# Altium PCB PCB.PcbDoc (part 1 of 7) (continued)
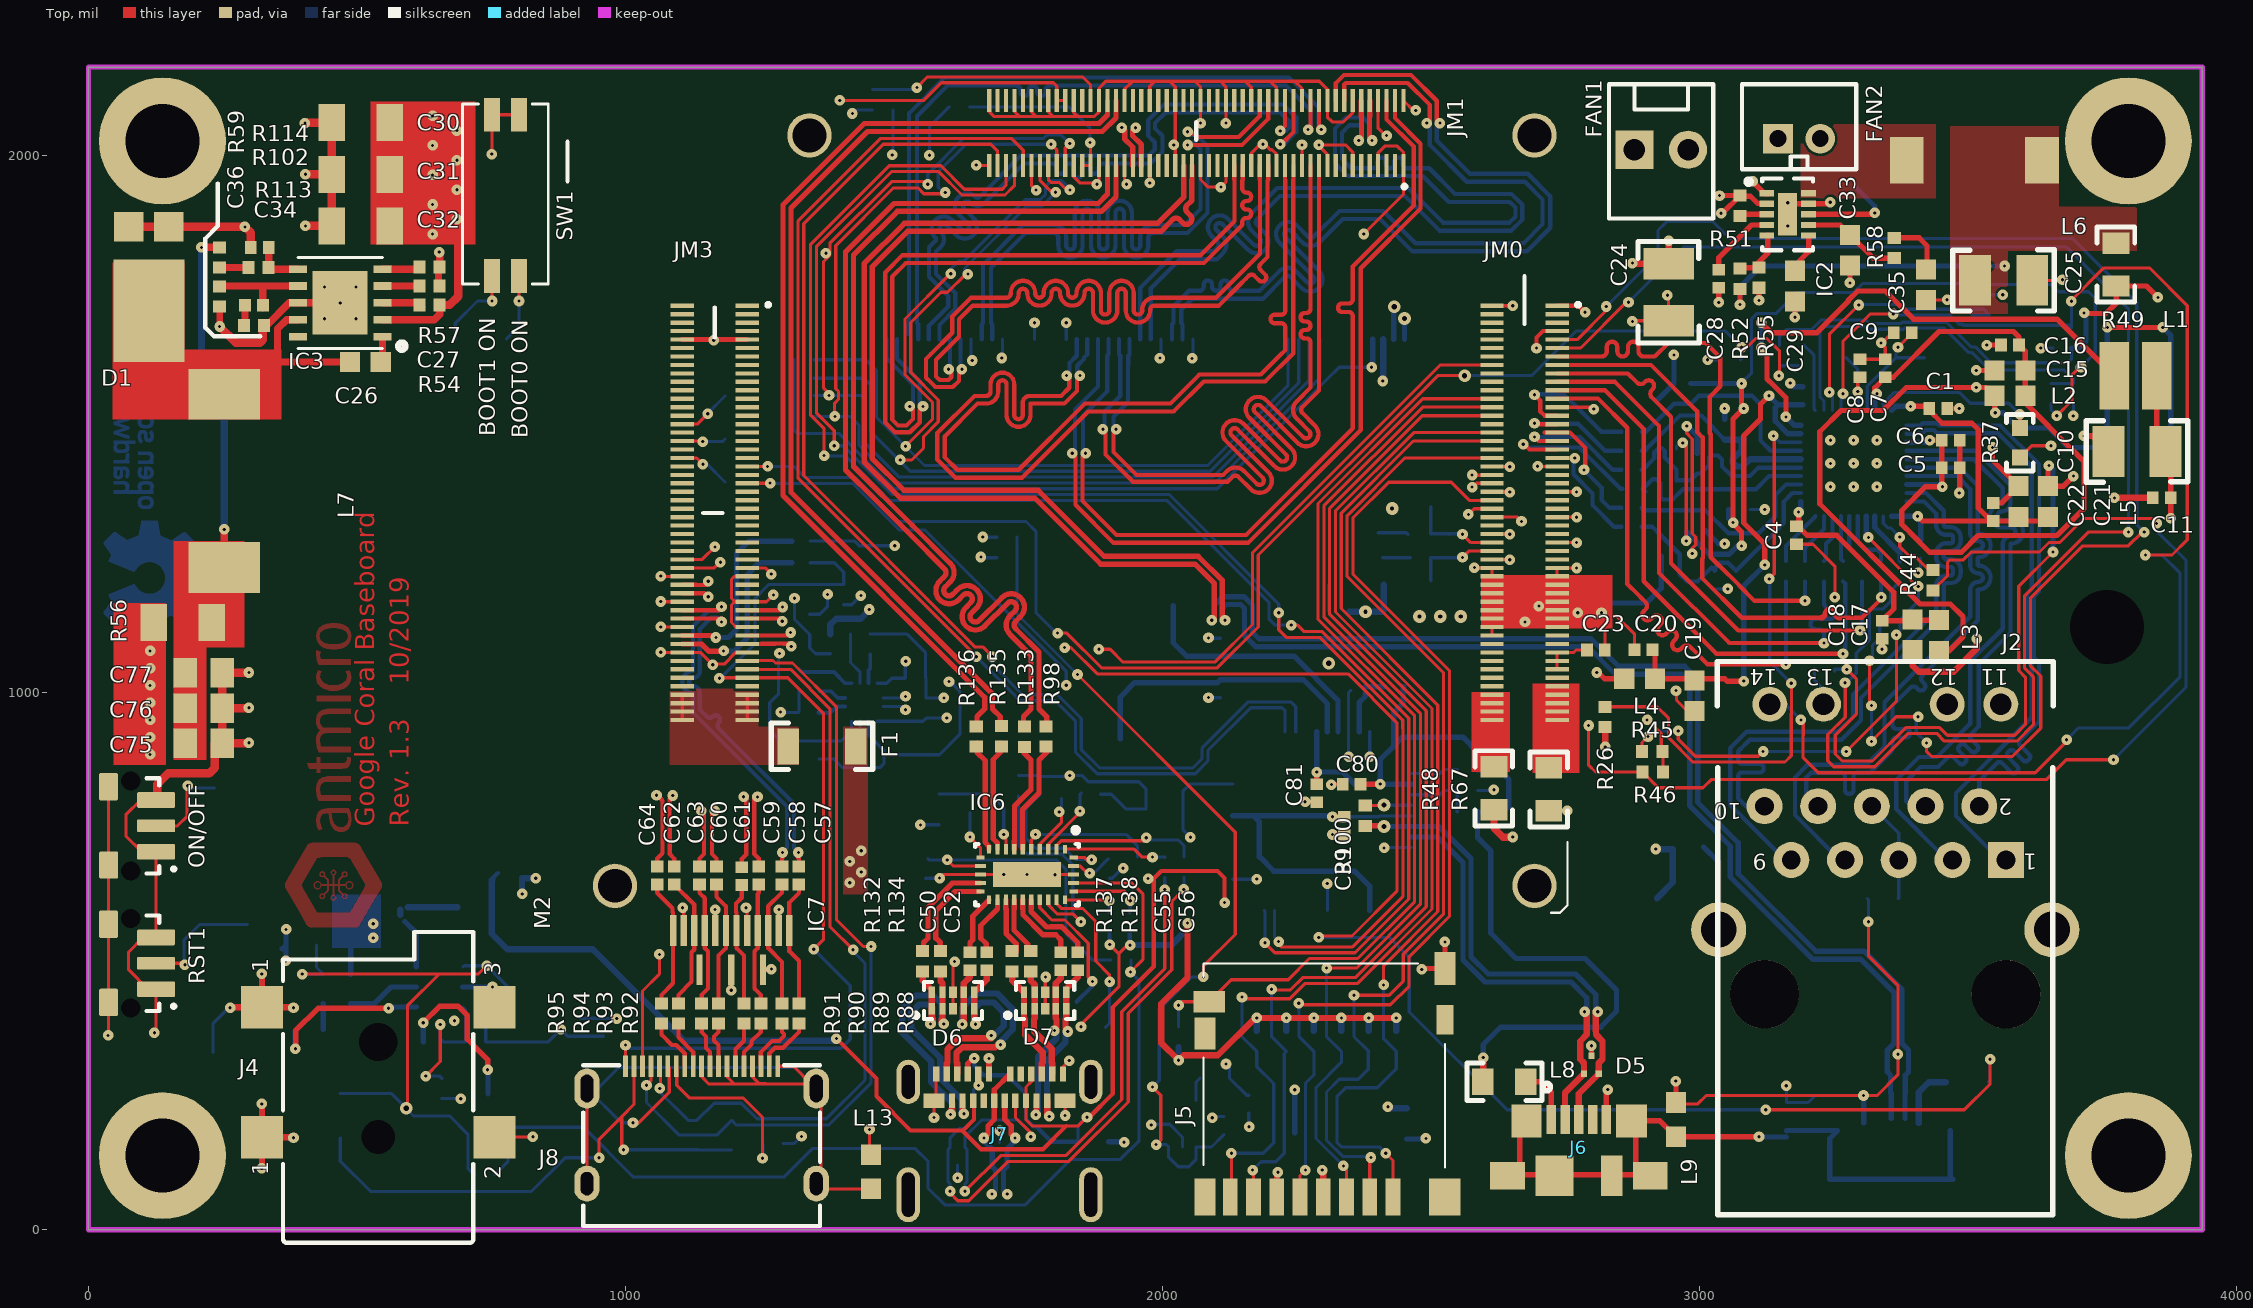
[diagram p0: Top view]
## Components (designator, comment, footprint, x,y, rotation, side; value= is the part's Value field where it differs from the comment) (continued)
R31 "220R" 0402#1 3233.28,1043.76 r0 bottom
R32 "0R" 0402#1 3338.65,1226.27 r90 bottom
R33 "0R" 0402#1 3196.92,1226.27 r90 bottom
R34 "22R" 0402#1 2874.08,1486.12 r0 bottom
R35 "22R" 0402#1 2874.08,1415.25 r0 bottom
R36 "22R" 0402#1 2875.65,1379.82 r0 bottom
R37 "2k49" 0603#3 3597.17,1465.55 r270 top
R38 "22R" 0402#1 2874.08,1344.38 r0 bottom
R39 "0R" 0402#1 3374.08,1226.27 r270 bottom
R40 "22R" 0402#1 2874.08,1308.95 r0 bottom
R41 "0R" 0402#1 3355.1,1136.15 r180 bottom
R42 "22R" 0402#1 2874.08,1450.68 r0 bottom
R43 "0R" 0402#1 3185.11,1627.85 r270 bottom
R44 "0R" 0402#1 3435.11,1209.41 r90 top
R45 "2k" 0402#1 2912.29,890.57 r0 top
R46 "10k" 0402#1 2913.45,852.26 r180 top
R47 "0R" 0402#1 1622.17,2091.14 r0 bottom
R48 "0R" 0805#3 2617.46,821.91 r270 top
R49 "0R" 0805#3 3776.08,1797.49 r270 top
R50 "2k2" 0402#1 1710.4,1289.51 r0 bottom
R51 "3M3" 0402#1 3075.86,1906.97 r90 top
R52 "44k2" 0402#1 3075.86,1771.14 r270 top
R53 "2k2" 0402#1 1710.4,1251.44 r0 bottom
R54 "0R" 0402#1 635.29,1722.09 r0 top
R55 "16k5" 0402#1 3111.29,1773.11 r90 top
R56 "0R" 1206#2 175.46,1131.13 r0 top
R57 "243k" 0402#1 635.29,1792.95 r0 top
R58 "10k" 0402#1 3363.26,1828.23 r270 top
R59 "49R9" 0402#1 244.23,1810.55 r90 top
R60 "10k" 0402#1 2030.28,358.84 r270 bottom
R61 "10k" 0402#1 2175.95,350.96 r90 bottom
R62 "10k" 0402#1 2231.06,350.96 r90 bottom
R63 "10k" 0402#1 2282.24,350.96 r90 bottom
R64 "10k" 0402#1 2333.43,350.96 r90 bottom
R65 "10k" 0402#1 2384.61,350.96 r90 bottom
R66 "10k" 0402#1 2435.79,350.96 r90 bottom
R67 "0R" 0805#3 2719.7,819.83 r270 top
R68 "470R" 0402#1 2431,1011.25 r180 bottom
R69 "0R" 0603#3 780.07,654.4 r0 bottom
R70 "470R" 0603#3 437.48,448.04 r90 bottom
R71 "0R" 0402#1 720.95,349.61 r0 bottom
R72 "0R" 0402#1 642.21,349.61 r0 bottom
R73 "5k6" 0603#3 488.66,448.04 r270 bottom
R74 "200k" 0402#1 1732.28,826.77 r90 bottom
R75 "909k" 0402#1 1952.76,674.78 r270 bottom
R76 "0R" 0402#1 2040.55,675.46 r90 bottom
R77 "0R" 0402#1 2004.42,674.78 r90 bottom
R78 "200k" 0402#1 1640.99,792.46 r90 bottom
R79 "2k2" 0402#1 1901.57,570.87 r270 bottom
R80 "2k2" 0402#1 1940.94,570.87 r270 bottom
R81 "10k" 0402#1 1866.14,811.02 r180 bottom
R82 "4k7" 0402#1 1791.34,811.02 r0 bottom
R83 "0R" 0402#1 1559.05,673.23 r90 bottom
R84 "0R" 0402#1 1901.57,673.23 r90 bottom
R85 "0R" 0402#1 1922.9,502.43 r0 bottom
R86 "4k7" 0402#1 2568.05,777.9 r0 bottom
R87 "10k" 0402#1 2568.05,818.05 r180 bottom
R88 "5R6" 0402#1 1323.11,402.65 r270 top
R89 "5R6" 0402#1 1291.61,402.65 r270 top
R90 "5R6" 0402#1 1252.24,402.65 r270 top
R91 "5R6" 0402#1 1220.75,402.65 r270 top
R92 "5R6" 0402#1 1173.5,402.65 r270 top
R93 "5R6" 0402#1 1142.01,402.65 r270 top
R94 "5R6" 0402#1 1098.7,402.65 r270 top
R95 "5R6" 0402#1 1067.2,402.65 r270 top
R96 "0R" 0402#1 1460.36,2104.39 r90 bottom
R97 "0R" 0402#1 1343.45,1127.37 r270 bottom
R98 "0R" 0402#1 1783.64,918.56 r270 top
R99 "0R" 0603#3 2097.69,282.21 r0 bottom
R100 "1k54" 0402#1 2378,771 r90 top
R101 "10k" 0402#1 2568.05,856.72 r180 bottom
R102 "53k6" 0402#1 316.58,1791.97 r180 top
R103 "33R" 0402#1 2480.94,1295.93 r0 bottom
R104 "33R" 0402#1 2480.94,1251.31 r0 bottom
R105 "50R" 0402#1 2533,1314 r270 bottom
R106 "50R" 0402#1 2532,1233 r90 bottom
R113 "16k9" 0402#3 308.33,1721.62 r0 top
R114 "10k2" 0402#3 319.18,1829.19 r0 top
R115 "1M" 0402#1 1406.78,1182.83 r90 bottom
R116 "10k" 0402#1 658.09,262.99 r90 bottom
R117 "100k" 0402#1 737.46,102.58 r0 bottom
R118 "1k8" 0603#3 1133.21,176.03 r270 bottom
R119 "1k8" 0603#3 1197.93,176.03 r270 bottom
R120 "0R" 0402#1 1274.97,160.73 r180 bottom
R121 "10k" 0402#1 1455.92,1090.67 r90 bottom
R122 "10k" 0402#1 1304.31,1043.79 r180 bottom
R123 "10k" 0402#1 1560.12,971.55 r90 bottom
R124 "5k11" 0402#1 1342.07,1003.58 r0 bottom
R125 "5k11" 0402#1 1340.88,963.22 r0 bottom
R126 "10k" 0402#1 1540.19,1027.97 r0 bottom
R127 "0R" 0402#1 1462.47,884.46 r180 bottom
R128 "0R" 0402#1 1400.45,1072.67 r180 bottom
R129 "0R" 0402#1 1400.6,1109.2 r180 bottom
R130 "0R" 0402#1 1498.36,2104.39 r270 bottom
R131 "100k" 0402#1 2329,1151 r0 bottom
R132 "0R" 0402#1 1553.68,500 r270 top
R133 "0R" 0402#1 1743.14,918.01 r270 top
R134 "0R" 0402#1 1586.88,500 r270 top
R135 "0R" 0402#1 1700.65,918.94 r270 top
R136 "0R" 0402#1 1653.54,918.4 r270 top
R137 "0R" 0402#1 1720.35,500 r270 top
R138 "0R" 0402#1 1754.92,500 r270 top
RST1 "TL3340AF160QG" TL3340AF160QG 78.74,496.06 r270 top
SW1 "TDA02H0SB1" TDA02H0SB1 776.58,1926.33 r180 top
TP1 "Testpad" TP-R-1.5 301.27,573.51 r180 bottom
TP2 "Testpad" TP-R-1.5 236.22,826.77 r90 bottom
TP3 "" TP-R-2.5 3292.4,1940.43 r90 bottom
TP4 "Testpad" TP-R-1.5 232.18,330.43 r90 bottom
TP5 "Testpad" TP-R-1.5 2921.33,617.45 r90 bottom
TP6 "Testpad" TP-R-1.5 1840.66,424.62 r90 bottom
TP7 "Testpad" TP-R-1.5 1956.81,425.18 r90 bottom
TP8 "Testpad" TP-R-1.5 1894.17,377.01 r90 bottom
TP9 "Testpad" TP-R-1.5 1185.5,1552.59 r0 bottom
TP10 "Testpad" TP-R-1.5 1185.5,1392.48 r0 bottom
TP11 "Testpad" TP-R-1.5 1185.5,1472.54 r0 bottom
TP12 "Testpad" TP-R-1.5 778.48,1659.42 r0 bottom
TP13 "Testpad" TP-R-1.5 683.27,1659.42 r0 bottom
Y1 "25MHz" TXC_7A 3346.52,1623.91 r180 bottom
Y2 "MQ-6.000-12-30/30/" Crystal_5x7mm 2020.26,913.76 r90 bottom

## Footprints (in the part's own frame and the unit in brackets; to place one, negate y for a bottom-side part, rotate by r counter-clockwise, add the part's x,y. Pads: shape width x height; smd on the part's side, far side on the other; paste and mask are expansions set on the pad)
10-TDFN [mm]
  rect 0.7x0.3 smd: 1(-0.99,1) 2(-0.99,0.5) 3(-0.99,0) 4(-0.99,-0.5) 5(-0.99,-1) 6(0.99,-1) 7(0.99,-0.5) 8(0.99,0) 9(0.99,0.5) 10(0.99,1)
  rect 0.9x2 smd: 11(0,0)
  silkscreen extent -1.97,-1.7 1.2,1.7, body extent -1.05,-1.55 1.05,1.55, height 0.5
114-00841-68 [mm]
  rect 0.7x1.75 smd: 1(-2.455,-0.874) 2(-3.555,-0.874) 3(-4.655,-0.874) 4(-5.755,-0.874) 5(-6.855,-0.874) 6(-7.955,-0.874) 7(-9.055,-0.874) 8(-10.155,-0.874)
  rect 1.5x1 smd: 9(-11.155,8.365)
  rect 1x1.55 smd: 10(0.005,9.94)
  rect 1x1.75 smd: M(-11.355,-0.874)
  rect 1x1.5 smd: M(-11.355,6.865)
  rect 1.5x1.75 smd: M(-0.005,-0.874)
  rect 0.8x1.4 smd: M(-0.005,7.515)
  silkscreen extent -11.42,0.52 0.01,10.17, body extent -11.63,-1.38 0.37,10.22, height 1.6
0402#1 [mm]
  rect 0.57x0.62 smd: 1(-0.48,0) 2(0.48,0)
  body extent -0.47,-0.25 0.53,0.25, height 0.35
0402#2 [mm]
  rect 0.57x0.62 smd: 1(0.48,0) 2(-0.48,0)
  body extent -0.52,-0.27 0.48,0.23, height 0.35
0402#3 [mm]
  rect 0.55x0.6 smd: 1(-0.425,0) 2(0.425,0)
  body extent -0.51,-0.25 0.5,0.27, height 0.49
0603#1 [mm]
  rect 0.95x0.95 smd: 1(-0.725,0) 2(0.725,0)
  body extent -0.8,-0.4 0.8,0.4, height 0.45
0603#2 [mm] "Chip Inductor Ferrite Bead 0603"
  rect 0.97x0.96 smd: 1(-0.815,0) 2(0.815,0)
  body extent -0.87,-0.48 0.87,0.47, height 0.6
0603#3 [mm]
  rect 0.762x0.762 smd: 1(-0.699,0) 2(0.699,0)
  silkscreen extent -1.33,-0.64 1.33,0.64, body extent -0.82,-0.41 0.83,0.41, height 0.46
0805#1 [mm]
  rect 1.1x1.4 smd: 1(-0.875,0) 2(0.875,0)
  body extent -1,-0.62 1,0.63, height 0.78
0805#2 [mm]
  rect 1.016x1.27 smd: 1(0,0) 2(2.032,0)
  silkscreen extent -0.76,-0.89 2.79,0.89, body extent 0,-0.57 2,0.63, height 0.95
0805#3 [mm]
  rect 1.016x1.27 smd: 1(-1.016,0) 2(1.016,0)
  silkscreen extent -1.78,-0.89 1.78,0.89, body extent -1.04,-0.64 0.96,0.64, height 0.61
1206#1 [mm]
  rect 1.25x1.75 smd: 1(-1.375,0) 2(1.375,0)
  body extent -1.6,-0.8 1.6,0.8, height 1
1206#2 [mm]
  rect 1.25x1.75 smd: 1(1.375,0) 2(-1.375,0)
  body extent -1.6,-0.8 1.6,0.8, height 1
1210 [mm]
  rect 1.5x2.4 smd: 1(0.25,0) 2(2.95,0)
  silkscreen extent -0.8,-1.45 4,1.45, body extent -0.12,-0.75 3.28,0.75, height 1.3
68715014522 [mm] "50 pins"
  rect 0.3x1.2 smd: 1(-11.865,0.381) 2(-11.365,0.381) 3(-10.865,0.381) 4(-10.365,0.381) 5(-9.865,0.381) 6(-9.365,0.381) 7(-8.865,0.381) 8(-8.365,0.381) 9(-7.865,0.381) 10(-7.365,0.381) 11(-6.865,0.381) 12(-6.365,0.381) 13(-5.865,0.381) 14(-5.365,0.381) 15(-4.865,0.381) 16(-4.365,0.381) 17(-3.865,0.381) 18(-3.365,0.381) 19(-2.865,0.381) 20(-2.365,0.381) 21(-1.865,0.381) 22(-1.365,0.381) 23(-0.865,0.381) 24(-0.365,0.381) 25(0.135,0.381) 26(0.635,0.381) 27(1.135,0.381) 28(1.635,0.381) 29(2.135,0.381) 30(2.635,0.381) 31(3.135,0.381) 32(3.635,0.381) 33(4.135,0.381) 34(4.635,0.381) 35(5.135,0.381) 36(5.635,0.381) 37(6.135,0.381) 38(6.635,0.381) 39(7.135,0.381) 40(7.635,0.381) 41(8.135,0.381) 42(8.635,0.381) 43(9.135,0.381) 44(9.635,0.381) 45(10.135,0.381) 46(10.635,0.381) 47(11.135,0.381) 48(11.635,0.381) 49(12.135,0.381) 50(12.635,0.381)
  rect 2.7x3 smd: M(-13.795,-1.599) M(14.565,-1.599)
  silkscreen extent -15.42,-4.32 16.19,1.28, body extent -15.32,-4.32 16.08,0.78, height 2.06
694106106102 [mm] "WR-DC_DC Power Jack_Right Angled_SMT Center Pin ?2.0_Plug ID ?2.05_Plug OD ?5.5_with 4 Soldering Pag & Peg"
  rect 2x2 smd: 1(0,5.5) 1(6.15,5.5) 2(0,-5.5) 3(6.15,-5.5)
  round 1.4 hole 1.6 unplated: ""(0,0)
  round 1.6 hole 1.8 unplated: ""(4.5,0)
  silkscreen extent -5,-4.5 9.7,4.5, body extent -5,-6.25 9.7,6.25, height 11.05
B2B-PH-K-S(LF)(SN) [mm] "CONN HEADER VERT 2POS 2MM"
  rect 1.4x1.4 hole 0.8: 1(-1,0)
  round 1.4 hole 0.8: 2(1,0)
  silkscreen extent -2.7,-1.45 2.7,2.58, body extent -2.95,-1.7 2.95,2.8, height 6
C_0402 [mm]
  rect 0.55x0.6 smd: 1(-0.425,0) 2(0.425,0)
  body extent -0.5,-0.25 0.53,0.25, height 0.49
CON-Molex-047346-0001#1 [mm]
  rect 0.45x1.38 smd: 1(2.535,0.907) 2(3.185,0.907) 3(3.835,0.907) 4(4.485,0.907) 5(5.135,0.907)
  rect 1.65x1.3 smd: S(0.46,-1.753) S(7.21,-1.753)
  rect 1.425x1.55 smd: S(1.347,0.831)
  rect 1.8x1.9 smd: S(2.685,-1.753)
  rect 1x1.9 smd: S(5.385,-1.753)
  rect 1.45x1.55 smd: S(6.323,0.831)
  silkscreen extent 2.13,2.26 2.49,2.62, body extent -0.15,-4.15 7.83,1.28, height 2.71
CON-Molex-047346-0001#2 [mm]
  rect 1.38x0.45 smd: 1(1.263,1.3) 2(1.263,0.65) 3(1.263,0) 4(1.263,-0.65) 5(1.263,-1.3)
  rect 1.9x2.37 smd: S(-1.397,-2.91) S(-1.397,2.91)
  rect 1.9x1.175 smd: S(-1.397,-0.837) S(-1.397,0.837)
  rect 2.1x1.4 smd: S(0.903,-2.54) S(0.903,2.794)
  silkscreen extent 2.61,1.35 2.97,1.7, body extent -3.8,-3.99 1.63,3.99, height 2.71
CON-Molex-105450-0101 [mm]
  rect 0.3x0.7 smd: A1(-3,1.27) A2(-2.5,1.27) A3(-2,1.27) A4(-1.5,1.27) A5(-1,1.27) A6(-0.5,1.27) A7(0.5,1.27) A8(1,1.27) A9(1.5,1.27) A10(2,1.27) A11(2.5,1.27) A12(3,1.27) B2(2.25,0) B3(1.75,0) B4(1.25,0) B5(0.75,0) B6(0.25,0) B7(-0.25,0) B8(-0.75,0) B9(-1.25,0) B10(-1.75,0) B11(-2.25,0)
  rect 1x0.7 smd: B1(3.1,0) B12(-3.1,0)
  oval 1.1x2.6 hole 0.6 slot 2.1 at 90 deg: M(-4.32,-4.445) M(4.318,-4.445)
  oval 1.1x2.1 hole 0.6 slot 1.6 at 90 deg: M(-4.32,0.89) M(4.32,0.89)
  body extent -4.47,-6.35 4.47,1.55, height 3.22
Crystal_5x7mm [mm]
  rect 2.2x1.4 smd: 1(0,-2.5) 2(6.3,-2.5) 3(6.3,0) 4(0,0)
  silkscreen extent -1.67,-3.95 7.5,1.53, body extent -0.35,-3.7 6.65,1.3, height 1.45
DF40HC(3.0)-100DS-0.4V(51) [mm]
  rect 1.1x0.2 smd: 1(1.54,9.8) 2(-1.54,9.8) 3(1.54,9.4) 4(-1.54,9.4) 5(1.54,9) 6(-1.54,9) 7(1.54,8.6) 8(-1.54,8.6) 9(1.54,8.2) 10(-1.54,8.2) 11(1.54,7.8) 12(-1.54,7.8) 13(1.54,7.4) 14(-1.54,7.4) 15(1.54,7) 16(-1.54,7) 17(1.54,6.6) 18(-1.54,6.6) 19(1.54,6.2) 20(-1.54,6.2) 21(1.54,5.8) 22(-1.54,5.8) 23(1.54,5.4) 24(-1.54,5.4) 25(1.54,5) 26(-1.54,5) 27(1.54,4.6) 28(-1.54,4.6) 29(1.54,4.2) 30(-1.54,4.2) 31(1.54,3.8) 32(-1.54,3.8) 33(1.54,3.4) 34(-1.54,3.4) 35(1.54,3) 36(-1.54,3) 37(1.54,2.6) 38(-1.54,2.6) 39(1.54,2.2) 40(-1.54,2.2) 41(1.54,1.8) 42(-1.54,1.8) 43(1.54,1.4) 44(-1.54,1.4) 45(1.54,1) 46(-1.54,1) 47(1.54,0.6) 48(-1.54,0.6) 49(1.54,0.2) 50(-1.54,0.2) 51(1.54,-0.2) 52(-1.54,-0.2) 53(1.54,-0.6) 54(-1.54,-0.6) 55(1.54,-1) 56(-1.54,-1) 57(1.54,-1.4) 58(-1.54,-1.4) 59(1.54,-1.8) 60(-1.54,-1.8) 61(1.54,-2.2) 62(-1.54,-2.2) 63(1.54,-2.6) 64(-1.54,-2.6) 65(1.54,-3) 66(-1.54,-3) 67(1.54,-3.4) 68(-1.54,-3.4) 69(1.54,-3.8) 70(-1.54,-3.8) 71(1.54,-4.2) 72(-1.54,-4.2) 73(1.54,-4.6) 74(-1.54,-4.6) 75(1.54,-5) 76(-1.54,-5) 77(1.54,-5.4) 78(-1.54,-5.4) 79(1.54,-5.8) 80(-1.54,-5.8) 81(1.54,-6.2) 82(-1.54,-6.2) 83(1.54,-6.6) 84(-1.54,-6.6) 85(1.54,-7) 86(-1.54,-7) 87(1.54,-7.4) 88(-1.54,-7.4) 89(1.54,-7.8) 90(-1.54,-7.8) 91(1.54,-8.2) 92(-1.54,-8.2) 93(1.54,-8.6) 94(-1.54,-8.6) 95(1.54,-9) 96(-1.54,-9) 97(1.54,-9.4) 98(-1.54,-9.4) 99(1.54,-9.8) 100(-1.54,-9.8)
  silkscreen extent 2.47,9.79 2.59,9.9, body extent -1.69,-11.34 1.69,11.26, height 2.9
Edge-TPU-SOM-model [mil]
  body extent -719,-84 1171,1491, height 284
ELLVGG4R7N [mm]
  rect 1.4x3.2 smd: 1(-1,0) 2(1,0)
Fuse-1206 [mm]
  rect 1.016x1.7 smd: 1(0,0) 2(3.2,0)
  silkscreen extent -0.8,-1.1 4,1.1, body extent -0.03,-0.83 3.18,0.83, height 1.43
LED0603 [mil]
  rect 30x30 smd: A(-27.5,0) K(27.5,0)
  silkscreen extent -52,-25 52,25, body extent -32,-16 32,16, height 43
LQFP-48 [mm] "LQFP-48, 48-Leads, Body 7.25x7.25mm, Pitch 0.50mm, IPC Medium Density"
  oval 1.75x0.35 smd: 1(-4.225,2.75) 2(-4.225,2.25) 3(-4.225,1.75) 4(-4.225,1.25) 5(-4.225,0.75) 6(-4.225,0.25) 7(-4.225,-0.25) 8(-4.225,-0.75) 9(-4.225,-1.25) 10(-4.225,-1.75) 11(-4.225,-2.25) 12(-4.225,-2.75) 25(4.225,-2.75) 26(4.225,-2.25) 27(4.225,-1.75) 28(4.225,-1.25) 29(4.225,-0.75) 30(4.225,-0.25) 31(4.225,0.25) 32(4.225,0.75) 33(4.225,1.25) 34(4.225,1.75) 35(4.225,2.25) 36(4.225,2.75)
  oval 0.35x1.75 smd: 13(-2.75,-4.225) 14(-2.25,-4.225) 15(-1.75,-4.225) 16(-1.25,-4.225) 17(-0.75,-4.225) 18(-0.25,-4.225) 19(0.25,-4.225) 20(0.75,-4.225) 21(1.25,-4.225) 22(1.75,-4.225) 23(2.25,-4.225) 24(2.75,-4.225) 37(2.75,4.225) 38(2.25,4.225) 39(1.75,4.225) 40(1.25,4.225) 41(0.75,4.225) 42(0.25,4.225) 43(-0.25,4.225) 44(-0.75,4.225) 45(-1.25,4.225) 46(-1.75,4.225) 47(-2.25,4.225) 48(-2.75,4.225)
  silkscreen extent -4.35,-2.95 2.95,3.6, body extent -3.65,-3.65 3.65,3.65, height 1.6
molex_2223-2021 [mm] "Pinhead male 1x2 pitch 2.54mm straight"
  rect 1.8x1.8 hole 1.02: 1(-1.27,0)
  round 1.8 hole 1.02: 2(1.27,0)
  silkscreen extent -2.46,-3.25 2.46,3.1, body extent -2.49,-3.2 2.44,3.15, height 10.68
NX5427001Z [mm]
  rect 0.89x1.6 smd: 1(-1.27,-1.3) 2(0,-1.3) 3(1.27,-1.3) 4(1.27,1.3) 5(0,1.3) 6(-1.27,1.3)
  silkscreen extent -1.37,-2.87 -1.13,-2.63, body extent -2.5,-1.6 2.5,1.6, height 1.2
PowerDI [mm]
  rect 1.4x1.39 smd: A(3.962,-0.94) A(3.962,0.94)
  rect 4.86x3.36 smd: C(0,0)
  body extent -2.21,-2.08 4.39,1.97, height 1.17
PTN5150 [mm]
  rect 0.6x0.2 smd: 1(-0.9,0.2) 2(-0.9,-0.2) 7(0.9,-0.2) 8(0.9,0.2)
  rect 0.2x0.6 smd: 3(-0.6,-0.9) 4(-0.2,-0.9) 5(0.2,-0.9) 6(0.6,-0.9) 9(0.6,0.9) 10(0.2,0.9) 11(-0.2,0.9) 12(-0.6,0.9)
  silkscreen extent -1.37,-0.97 0.82,1.02, body extent -0.82,-0.82 0.82,0.82, height 0.4
RNH0030A [mm]
  rect 0.4x0.2 smd: 1(-1.2,1.8) 10(-1.2,-1.8) 16(1.2,-1.8) 25(1.2,1.8)
  rect 0.5x0.2 smd: 2(-1.2,1.4) 3(-1.2,1) 4(-1.2,0.6) 5(-1.2,0.2) 6(-1.2,-0.2) 7(-1.2,-0.6) 8(-1.2,-1) 9(-1.2,-1.4) 17(1.2,-1.4) 18(1.2,-1) 19(1.2,-0.6) 20(1.2,-0.2) 21(1.2,0.2) 22(1.2,0.6) 23(1.2,1) 24(1.2,1.4)
  rect 0.2x0.4 smd: 11(-0.8,-2.2) 15(0.8,-2.2) 26(0.8,2.2) 30(-0.8,2.2)
  rect 0.2x0.5 smd: 12(-0.4,-2.2) 13(0,-2.2) 14(0.4,-2.2) 27(0.4,2.2) 28(0,2.2) 29(-0.4,2.2)
  rect 1.2x3.2 smd: 31(0,0)
  silkscreen extent -2.22,-2.45 1.45,2.45, body extent -1.3,-2.3 1.3,2.3, height 0.8
RTL8211F [mm]
  rect 0.7x0.2 smd: 1(-2.5,1.8) 2(-2.5,1.4) 3(-2.5,1) 4(-2.5,0.6) 5(-2.5,0.2) 6(-2.5,-0.2) 7(-2.5,-0.6) 8(-2.5,-1) 9(-2.5,-1.4) 10(-2.5,-1.8) 21(2.5,-1.8) 22(2.5,-1.4) 23(2.5,-1) 24(2.5,-0.6) 25(2.5,-0.2) 26(2.5,0.2) 27(2.5,0.6) 28(2.5,1) 29(2.5,1.4) 30(2.5,1.8)
  rect 0.2x0.7 smd: 11(-1.8,-2.5) 12(-1.4,-2.5) 13(-1,-2.5) 14(-0.6,-2.5) 15(-0.2,-2.5) 16(0.2,-2.5) 17(0.6,-2.5) 18(1,-2.5) 19(1.4,-2.5) 20(1.8,-2.5) 31(1.8,2.5) 32(1.4,2.5) 33(1,2.5) 34(0.6,2.5) 35(0.2,2.5) 36(-0.2,2.5) 37(-0.6,2.5) 38(-1,2.5) 39(-1.4,2.5) 40(-1.8,2.5)
  rect 3.7x3.7 smd: 41(0,0)
  silkscreen extent -3.43,-2.65 2.65,2.65, body extent -2.5,-2.5 2.5,2.5, height 0.8
SC70-5 [mm] "SC70, 5-Leads, Pitch 0,65mm, EIAJ SC-88a"
  rect 0.85x0.35 smd: 1(0,0) 2(0,-0.65) 3(0,-1.3) 4(2.2,-1.3) 5(2.2,0)
  silkscreen extent -0.12,-1.65 1.47,0.88, body extent 0.07,-1.63 2.17,0.37, height 0.96
SOD-323 [mm]
  rect 0.45x0.59 smd: A(0,-1.055) C(0,1.055)
  silkscreen extent -0.89,-1.05 0.76,1.74, body extent -0.63,-1.25 0.62,1.25, height 1
SON-15 [mm]
  rect 0.3x1.45 smd: 1(2.75,0.925) 2(2.25,0.925) 3(1.75,0.925) 4(1.25,0.925) 5(0.75,0.925) 6(0.25,0.925) 7(-0.25,0.925) 8(-0.75,0.925) 9(-1.25,0.925) 10(-1.75,0.925) 11(-2.25,0.925) 12(-2.75,0.925) 13(1.5,-0.925) 14(0,-0.925) 15(-1.5,-0.925)
  body extent -3.3,-1.3 3.3,1.3, height 0.8
SOT-3 [mm]
  rect 0.3x0.3 smd: 1(-0.35,-0.425) 2(0.35,-0.425) 3(0,0.425)
  body extent -0.51,-0.38 0.51,0.38, height 0.51
SOT-23 [mm] "SOT23, 3-Leads, Body 2.90x2.45mm, Pitch 0.95mm, IPC Medium Density"
  rect 1.5x0.55 smd: 1(-0.95,0.95) 2(-0.95,-0.95) 3(0.95,0)
  silkscreen extent 0.2,-1.5 0.7,1.5, body extent -1.13,-1.5 1.13,1.5, height 1.21
TDA02H0SB1 [mm]
  rect 0.76x1.6 smd: 1(-0.635,3.81) 2(-0.635,-3.81) 3(0.635,3.81) 4(0.635,-3.81)
  silkscreen extent -2.03,-4.32 2.03,4.19, body extent -1.84,-4.1 1.84,4.02, height 2.35
TL3340AF160QG [mm] "SWITCH TACT SUB MINI 160GF SMD"
  rrect20% 0.75x1.8 smd: 1(1.225,1.2) 3(-1.225,1.2)
  rrect20% 0.6x1.8 smd: 2(0,1.2)
  round 0.5 hole 0.9: 10(2.125,0) 11(-2.125,0)
  rrect20% 1.3x0.9 smd: SH1(-1.85,-1.05) SH2(1.85,-1.05)
  Top pour cut-out: -1,-0.103 -1,-1.5 1,-1.5 1,-0.103
  silkscreen extent -2.25,0.75 2.25,2.07, body extent -2.25,-2.05 2.25,1.35, height 3.3
TP-R-1.5 [mm]
  round 1.5 smd paste-0.75: 1(0,0)
TP-R-2.5 [mm]
  round 1.5 smd paste-1.25: 1(0,0)
TPD4E05U06_PASS [mm]
  rect 0.3x0.55 smd: 1(-1,-0.385) 1(-1,0.385) 2(-0.5,-0.385) 2(-0.5,0.385) 4(0.5,-0.385) 4(0.5,0.385) 5(1,-0.385) 5(1,0.385)
  rect 0.4x0.55 smd: 3(0,-0.385) 8(0,0.385)
  silkscreen extent -1.87,-0.87 1.38,0.87, body extent -1.25,-0.5 1.25,0.51, height 0.56
TPD6E05U06_PASS [mm]
  rect 0.2x0.5 smd: 5(0.5,-0.625) 8(1.5,-0.625) 8(1.5,0.625) 9(1,-0.625) 9(1,0.625) 10(0.5,0.625) 11(0,-0.625) 11(0,0.625) 12(-0.5,-0.625) 12(-0.5,0.625) 13(-1,-0.625) 13(-1,0.625) 14(-1.5,-0.625) 14(-1.5,0.625)
  silkscreen extent -2.13,-0.86 -1.93,-0.66, body extent -1.88,-0.63 1.93,0.64, height 0.6
TSOP-6 [mm]
  oval 1.6x0.5 smd: 1(-1.1,0.95) 2(-1.1,0) 3(-1.1,-0.95) 4(1.1,-0.95) 5(1.1,0) 6(1.1,0.95)
  silkscreen extent -1.23,-1.55 0.1,1.87, body extent -0.85,-1.55 0.85,1.55, height 1.1
TXC_7A [mm]
  rect 1.7x2.4 smd: 1(-1.85,0) 2(1.85,0)
  silkscreen extent -2.5,-1.6 2.5,1.6, body extent -2.58,-1.68 2.58,1.68, height 1.35
WE_744777122 [mm]
  rect 1.6x2.2 smd: 1(-3.2,0) 2(3.2,0)
  body extent -3.75,-3.65 3.75,3.75, height 4.5
WE_7447798720 [mm]
  rect 2.4x3.4 smd: 1(-4.1,0) 2(4.1,0)
  body extent -5.1,-5.1 5.1,5.1, height 6.35
WE_7499110124 [mm] "WE-RJ45 LAN Transformer, THT"
  rect 1.7x1.7 hole 0.89: 1(-5.715,0.51)
  round 1.7 hole 0.89: 2(-4.445,-2.03) 3(-3.175,0.51) 4(-1.905,-2.03) 5(-0.635,0.51) 6(0.635,-2.03) 7(1.905,0.51) 8(3.175,-2.03) 9(4.445,0.51) 10(5.715,-2.03)
  round 1.65 hole 1.02: 11(-5.469,-6.86) 12(-2.929,-6.86) 13(2.921,-6.86) 14(5.461,-6.86)
  round 2.6 hole 1.7: S(-7.878,3.81) S(7.878,3.81)
  round 3.25 hole 3.25 unplated paste+0: ""(-5.715,6.86) ""(5.715,6.86)
  silkscreen extent -7.94,-8.88 7.94,17.3, body extent -8.2,-7.73 8.2,17.58, height 13.35
WE_685119136923 [mm] "Mini HDMI SMT Horizontal"
  rect 0.23x1 smd: 1(3.6,3.6) 2(3.2,3.6) 3(2.8,3.6) 4(2.4,3.6) 5(2,3.6) 6(1.6,3.6) 7(1.2,3.6) 8(0.8,3.6) 9(0.4,3.6) 10(0,3.6) 11(-0.4,3.6) 12(-0.8,3.6) 13(-1.2,3.6) 14(-1.6,3.6) 15(-2,3.6) 16(-2.4,3.6) 17(-2.8,3.6) 18(-3.2,3.6) 19(-3.6,3.6)
  oval 1.2x1.7 hole 0.6 slot 1.1 at 90 deg: Shell(-5.425,-1.95) Shell(5.425,-1.95)
  oval 1.2x1.9 hole 0.6 slot 1.3 at 90 deg: Shell(-5.425,2.55) Shell(5.425,2.55)
  silkscreen extent -5.6,-3.95 5.6,3.65, body extent -5.62,-3.95 5.63,3.95, height 3.29
WSON-10_4x4 [mm] "QFN, 10-Leads, Body 4,00x4,00mm, Pitch 0,65mm, Thermal Pad 2,50x3,15mm, IPC Medium Density"
  rect 0.356x0.85 smd: 1(1.6,2) 2(0.8,2) 3(0,2) 4(-0.8,2) 5(-1.6,2) 6(-1.6,-2) 7(-0.8,-2) 8(0,-2) 9(0.8,-2) 10(1.6,-2)
  rect 3x2.6 smd: 11(0,0)
  silkscreen extent -2.15,-2 2.15,2, body extent -2,-2.02 2,2.02, height 0.8

## Part data
C1 C2 C3 C4 C5 C6 C7 C11 C16 C18 C20 C22 C23 C38 C39 C45 C50 C52 C55 C56 C57 C58 C59 C60 C61 C62 C63 C64 C80 C81 C84 C85 C86: library part C_100n_0402, "MLCC SMT Capacitor 100nF 0402"
C8 C9 C78 C79: library part C_27p_0402, "MLCC SMT Capacitor 27pF 0402"
C10 C25: library part C_22u_1210, "MLCC SMT Capacitor 22uF 1210"
C12: library part C_10n_0603, "MLCC SMT Capacitor 10nF 0603"
C13: library part C_100p_0603, "MLCC SMT Capacitor 100pF 0603"
C14: library part C_10p_0402, "MLCC SMT Capacitor 10pF 0402"
C15 C17 C19 C21: library part C_4u7_0603, "MLCC SMT Capacitor 4u7F 0603"
C24: library part C_2u2_1210, "MLCC SMT Capacitor 2u2F 1210"
C26 C43: library part C_100n_0603, "MLCC SMT Capacitor 100nF 0603"
C27: library part C_10n_0402, "MLCC SMT Capacitor 10nF 0402"
C28 C67 C68: library part C_1u_0402, "MLCC SMT Capacitor 1uF 0402"
C29: library part C_3n3_0603, "MLCC SMT Capacitor 3n3F 0603"
C30 C31 C32: library part C_2u2_1206, "MLCC SMT Capacitor 2u2F 1206"
C33: library part C_470p_0603, "MLCC SMT Capacitor 470pF 0603"
C34: library part C_4n7_0402, "MLCC SMT Capacitor 4n7F 0402"
C35: library part C_2n2_0603, "MLCC SMT Capacitor 2n2F 0603"
C36: library part C_47p_0402, "MLCC SMT Capacitor 47pF 0402"
C37 C41: library part C_1u_0603, "MLCC SMT Capacitor 1uF 0603"
C40: library part C_100u_1210_X5R, "MLCC SMT Capacitor 100uF 1210 X5R"
C42: library part C_10u_0603, "MLCC SMT Capacitor 10uF 0603"
C44 C75 C76 C77: library part C_47u_0805, "MLCC SMT Capacitor 47uF 0805"
C65 C66: library part C_4u7_0402, "MLCC SMT Capacitor 4u7F 0402"
C82 C83: library part C_2p_0402, "MLCC SMT Capacitor 2p 0402"
D1: "Schottky Diodes & Rectifiers SCHOTTKY RECTIFIER"
D2 D5 D8 D9: "ESD Suppressors 2-CH"
D4: library part TPD6E05U06_PASS, "ESD Suppressors 6-CH Pass through layout"
D6 D7: library part TPD4E05U06_PASS, "ESD Suppressors 4-CH"
D10: "Diode small signal"
F1: library part LITTELFUSE_1206L450SLWR, "PTC RESET 6V LO RHO 1206 4.50A"
FAN1: library part molex_2223-2021, "Pinhead connector with key"
IC1: "Highly Integrated 10/100/1000m Ethernet Transceiver"
IC2: "DC-DC Switching (Step Down) Regulator, Adjustable, 600 kHz, 4.5V-60Vin, 0.9V-55.2V/1 A out, TDFN-10"
IC3: "IC REG BCK SPLIT RAIL ADJ 10WSON"
IC4: "Dual USB-UART/FIFO"
IC5: "POWER LOAD SWITCH, HIGH SIDE"
IC6: "IC DRP PORT CTLR USB-C 30WQFN"
IC7: "8-Channel ESD Protection for DisplayPort and HDMI"
IC8: "Voltage Regulator, 2V to 5.5V, 175mV Dropout, 1.8Vout, 200mAout"
IC9: "CC logic for USB Type-C applications"
J1: library part WE-687-150-145-22, "0.50mm SMT ZIF Horizontal Bottom Contact WR-FPC"
J2: library part WE_7499110124, "LAN-Transformer WE-RJ45LAN 10/100/1000 BaseT"
J4: library part WE-694106106102, "DC Power Jack Right Angled SMT Ø6.4 with 4 soldering pads & pegs WR-DC"
J5: library part AMP-114-00841-68, "Micro SD card holder"
J6 J9: library part CON-Molex-47346-0001, "USB - micro B Receptacle Connector 5 Position Surface Mount, Right Angle, Horizontal"
J7: library part CON-Molex-105450-0101, "USB-C connector"
J8: library part WE_685119136923, "CONN HDMI FEMALE R/A 19POS 2.6MM"
JM0 JM1 JM3: "CONN RCPT 100POS 0.4MM SMD GOLD"
L1: "PANASONIC ELECTRONIC COMPONENTS  ELLVGG4R7N  Surface Mount Power Inductor, Choke Coil, ELL-VGG Series, 4.7 ?H, ? 30%, Shielded, 0.17 ohm, 980 mA"
L2 L3 L4 L5: "MURATA 	BLM18PG330SN1D  FERRITE BEAD, 0.025OHM, 3A, 0603"
L6: "Surface Mount Power Inductor, WE-PD Series, 22 µH, 1.41 A, 1.7 A, Shielded, 0.11 ohm"
L7: "Fixed Inductors WE-PDF 1064 7.2uH 7.9A 12.8mOhm"
L8 L11: "WURTH ELEKTRONIK - 742792022 - FERRITE BEAD, 0.05OHM, 2A, 0805"
L9 L12: "FERRITE BEAD, 0.025OHM, 3A, 0603"
L10: "MURATA 	BLM18EG221SN1D  FERRITE BEAD, 0.05OHM, 2A, 0603"
L13: "Ferrite Bead, 600 ohm, 0603 [1608 Metric], BLM18A Series, 500 mA, 0.38 ohm, ? 25%"
LED1: library part LED_R, "LED Red 0603 case"
M2: library part Edge-TPU-SOM-model, "Edge TPU SOM"
ON/OFF RST1: "E-SWITCH  TL3340AF160QG  SWITCH, TACTILE SPST 50mA, SMD GULL WING"
Q1: "CLOCK SAW OSCILLATOR SEAM5032"
Q2: "P CH, 20V, 4A"
R1 R2 R3 R4 R45: library part R_2k_0402, "SMT Resistor 2k 0402"
R5 R6 R7 R8 R9 R10 R11 R12 R13 R14 R15 R17 R18 R19 R20 R21 R22 R23 R24 R82 R86: library part R_4k7_0402, "SMT Resistor 4k7 0402"
R16 R46 R58 R60 R61 R62 R63 R64 R65 R66 R81 R87 R101 R116 R121 R122 R123 R126: library part R_10k_0402, "SMT Resistor 0402"
R26 R27 R28 R29 R30 R32 R33 R39 R41 R43 R44 R47 R54 R71 R72 R76 R77 R83 R84 R85 R96 R97 R98 R120 R127 R128 R129 R130 R132 R133 R134 R135 R136 R137 R138: library part R_0R_0402, "SMT Resistor 0402"
R31: library part R_220R_0402, "SMT Resistor 220R 0402"
R34 R35 R36 R38 R40 R42: library part R_22R_0402, "SMT Resistor 22R 0402"
R37: library part R_2k49_0603_1%, "SMT Resistor 2k49 0603 1%"
R48 R49 R67: library part R_0R_0805, "SMT Resistor 0R 0805"
R50 R53 R79 R80: library part R_2k2_0402, "RES, 2k2, 0402, 5%"
R51: library part R_3M3_0402, "SMT Resistor 3M3 0402"
R52: library part R_44k2_0402, "SMT Resistor 0402"
R55: library part R_16k5_0402_0.1%, "RES, 16k5, 0402, 0.1%"
R56: library part R_0R_1206, "RES, 0R, 1206"
R57: library part R_243k_0402, "RES, 243k, 0402"
R59: library part R_49R9_0402, "RES, 49R9, 0402"
R68: library part R_470R_0402, "SMT Resistor 470R 0402"
R69 R99: library part R_0R_0603, "SMT Resistor 0R 0603"
R70: library part R_470R_0603, "SMT Resistor 470R 0603"
R73: library part R_5k6_0603, "SMT Resistor 5k6 0603"
R74 R78: library part R_200k_0402, "SMT Resistor 200k 0402"
R75: library part R_909k_0402, "SMT Resistor 9k31 0402"
R88 R89 R90 R91 R92 R93 R94 R95: library part R_5R6_0402, "SMD Resistor 0402"
R100: library part R_1k54_0402, "SMT Resistor 1k54 0402"
R102: library part R_53k6_0402, "SMT Resistor 0402"
R103 R104 R105 R106: library part R_33R_0402, "RES, 33R, 0402, 1%"
R113: library part R_16k9_0402, "SMT Resistor 0402"
R114: library part R_10k2_0402_0.1%, "RES, 10k2, 0402, 0.1%"
R115: library part R_1M_0402, "SMT Resistor 1M 0402"
R117 R131: library part R_100k_0402, "SMT Resistor 100k 0402"
R118 R119: library part R_1k8_0603, "SMT Resistor 1k8 0603"
R124 R125: library part R_5k11_0402, "SMT Resistor 5k11 0402"
SW1: "TDA02H0SB1 - DIP / SIP Switch, 2 Circuits, SPST, SMD, TDA Series, DIP, 24 V"
TP1 TP2 TP4 TP5 TP6 TP7 TP8 TP9 TP10 TP11 TP12 TP13: library part TP-R-1.5, "Testpad, round, 1.5mm"
TP3: library part TP-R-2.5, "Testpad, round, 2mm"
Y1: library part CRYSTAL_25MHz_SMD_TXC, "CRYSTAL, 25.000MHZ"
Y2: library part CRYSTAL_6_MHz_SMD, "CRYSTAL, 6MHZ, 12PF, SMD,30ppm"

## Free pads (board coordinates)
  round 236.22 hole 137.8: 0(137.8,137.8) 0(137.8,2027.56) 0(3799.21,137.8) 0(3799.21,2027.56)
  round 0 / inner round 0 / far side round 255.91 hole 137.8: 0(3759.84,1122.05)
  round 82.68 hole 62.99: M(980.63,640.39) M(1342.84,2038.03) M(2693.23,640.39) M(2693.23,2038.03)

## Via types
v1: diameter 19.68, hole 5.91, Top to Bottom, tented both sides, 378 vias
v2: diameter 19.68, hole 5.91, Top to Bottom, 128 vias
v3: diameter 23.62, hole 9.84, Top to Bottom, 7 vias
v4: diameter 23.62, hole 7.87, Top to Bottom, 5 vias

## Nets (pads, with @x,y where several pads share a name; then routed paths per layer and width w, separated by ;. In a path a pad name is that pad's centre, name@x,y a point inside that pad or via, vN(x,y) a via of type N, cw(c..) or ccw(c..) an arc to the next point about the centre after c; other vN are vias at no path point)
+1V0_PHY: C10.2 C11.2 L1.2 L2.1 L3.1 | length 2168.1
  Top w9.84: L3.1@3446.42,1077.99 3465.48,1077.99 3491.11,1103.62 3491.11,1141.72 3467.44,1165.39 3411.07,1165.39 3224.47,1351.98 3224.47,1486.12 3263.84,1525.49 3342.59,1525.49 3385.65,1568.55 v1(3515.81,1568.55) 3534.76,1568.55 L2.1@3550.26,1553.04 3550.26,1522.53 v1(3551.25,1521.55) ; v1@3762.93,1680.41 v1(3863.25,1680.41) ; L1.2@3851.85,1590.59 3851.85,1465.84 C10.2@3868.46,1449.22 3878.29,1439.4 C11.2@3878.29,1362.96 v1(3878.29,1324.7)
  Bottom w9.84: v1(3551.25,1521.55) 3565.26,1521.55 3593.76,1493.05 3651.27,1493.05 3687.63,1456.69 3737.95,1456.69 3759.84,1478.59 v1@3759.84,1683.5 ; v1(3863.25,1680.41) 3878.29,1665.37 v1(3878.29,1324.7)
  other v1: 3760.06,1680.51
+1V0_PHY_AVDD: C5.2 C6.2 C7.2 C15.2 C16.2 IC1.3 IC1.8 IC1.38 L2.2 | length 1474.3
  Top w9.84: v1(3330.78,1556.98) 3326.84,1556.98 3326.84,1567.81 C7.2@3346.52,1587.49 3361.29,1587.49 3446.42,1672.63 3585.2,1672.63 3595.54,1662.3 C16.2@3595.54,1647.53 3607.35,1635.72 C15.2@3607.35,1600.29 L2.2@3607.35,1553.04 3607.35,1539.7 3696.59,1450.46 3697.14,1450.46 3716.6,1431 3716.6,1342.89 3666.36,1292.64 3519.14,1292.64 3488.2,1261.71 3429.08,1261.71 3393.19,1297.6 3393.19,1297.89 3381.66,1309.42 3381.37,1309.42 3377.12,1313.66 3377.12,1339.55 3421.33,1383.75 v1(3452.82,1383.75) 3451.84,1384.74 C5.2@3451.84,1418.73 C6.2@3451.84,1470.37 v1(3429.2,1470.37)
  Bottom w9.84: IC1.38@3326.84,1525.49 3326.84,1556.98 v1(3330.78,1556.98) ; IC1.8@3385.89,1387.69 3448.88,1387.69 v1(3452.82,1383.75) ; IC1.3@3385.89,1466.43 3425.26,1466.43 v1(3429.2,1470.37)
+1V0_PHY_DVDD: C4.2 C17.2 C18.2 IC1.21 L3.2 | length 451.7
  Top w9.84: v1(3185.11,1336.51) 3185.11,1313.87 C4.2@3181.17,1309.93 3184.26,1309.93 3200.99,1293.2 3255.97,1293.2 3362.27,1186.9 3362.27,1155.88 C18.2@3340.69,1134.29 3398.37,1134.29 C17.2@3399.16,1135.08 ; C17.2@3397.33,1136.64 3398.89,1135.08 C17.2@3399.16,1135.08 ; L3.2@3446.42,1135.08 C17.2@3399.16,1135.08
  Bottom w9.84: v1(3185.11,1336.51) 3189.04,1340.45 IC1.21@3189.04,1356.19
+1V8: C68.2 R5.2 R6.2 R7.2 R8.2 R9.2 R15.2 R17.2 R18.2 R26.1 R67.2 R99.2 | length 4060.9
  Top w5.91: v1(2969.38,1465.2) 2975.83,1458.76 v1(2975.83,1282.78) ; v1(3665.99,1515.98) 3694.23,1544.22 3694.23,1592.26 3694.43,1592.26 v1@3707.86,1605.69 ; v1@3707.6,1606.3 v1(3711.04,1606.3)
  Top w9.84: v1(3078.81,1273.52) 3078.81,1299.6 3063.06,1315.35 v1(3063.06,1316.82) 3063.06,1509.74 v1(3082.74,1529.42) 3078.81,1533.36 v1(3078.81,1575.88)
  Top w11.81: R26.1@2824.16,936 2825,935.16 v2(2825,899)
  Signal 2 w11.81: v1(2118.63,308.51) 2178.13,368 2553,368 2624,439 2798,439 2858,499 2858,722.83 2801,779.83 ; v2(2754,779.83) 2801,779.83 ; v2(2825,899) 2825,834.83 2880,779.83 ; v1(3078.81,1273.52) 3078.81,1247.81 3053.23,1222.23 v1(3053.23,1193.49) 3053.23,822.23 3010.83,779.83 2880,779.83 ; 2801,779.83 2880,779.83
  Bottom w5.91: v1(2118.63,308.51) 2125.19,301.94 R99.2@2125.19,282.21 2157.1,250.31 C68.2@2160.82,250.31 ; R6.2@2957.82,1453.77 R6.2@2957.82,1459.62 ; R9.2@3022.9,1195.56 3024.98,1193.49 v1(3053.23,1193.49) ; v1@3077.31,1575.88 3097.51,1596.08 3097.51,1696.2 3107.89,1706.58 3143.38,1706.58 3182.35,1745.55 3287.92,1745.55 3304.46,1762.09 3487.2,1762.09 R18.2@3508.03,1741.26 3508.03,1743.46 3524.95,1760.38 3655.39,1760.38 3669.07,1746.69 3725.04,1746.69 3737.6,1734.13 3737.6,1633.16 v1@3713.44,1609 ; R17.2@3655.12,1538.09 3655.12,1526.85 v1(3665.99,1515.98)
  Bottom w9.84: v1(2975.83,1282.78) 2976.44,1283.4 2976.44,1299.95 3018.63,1257.77 3055.46,1257.77 3071.21,1273.52 v1(3078.81,1273.52) ; R5.2@2984.32,1575.88 v1@3077.31,1575.88 ; R7.2@3055.18,1341.23 3055.18,1324.7 v1(3063.06,1316.82)